# Altium PCB 23005.PcbDoc (part 1 of 3) (continued)
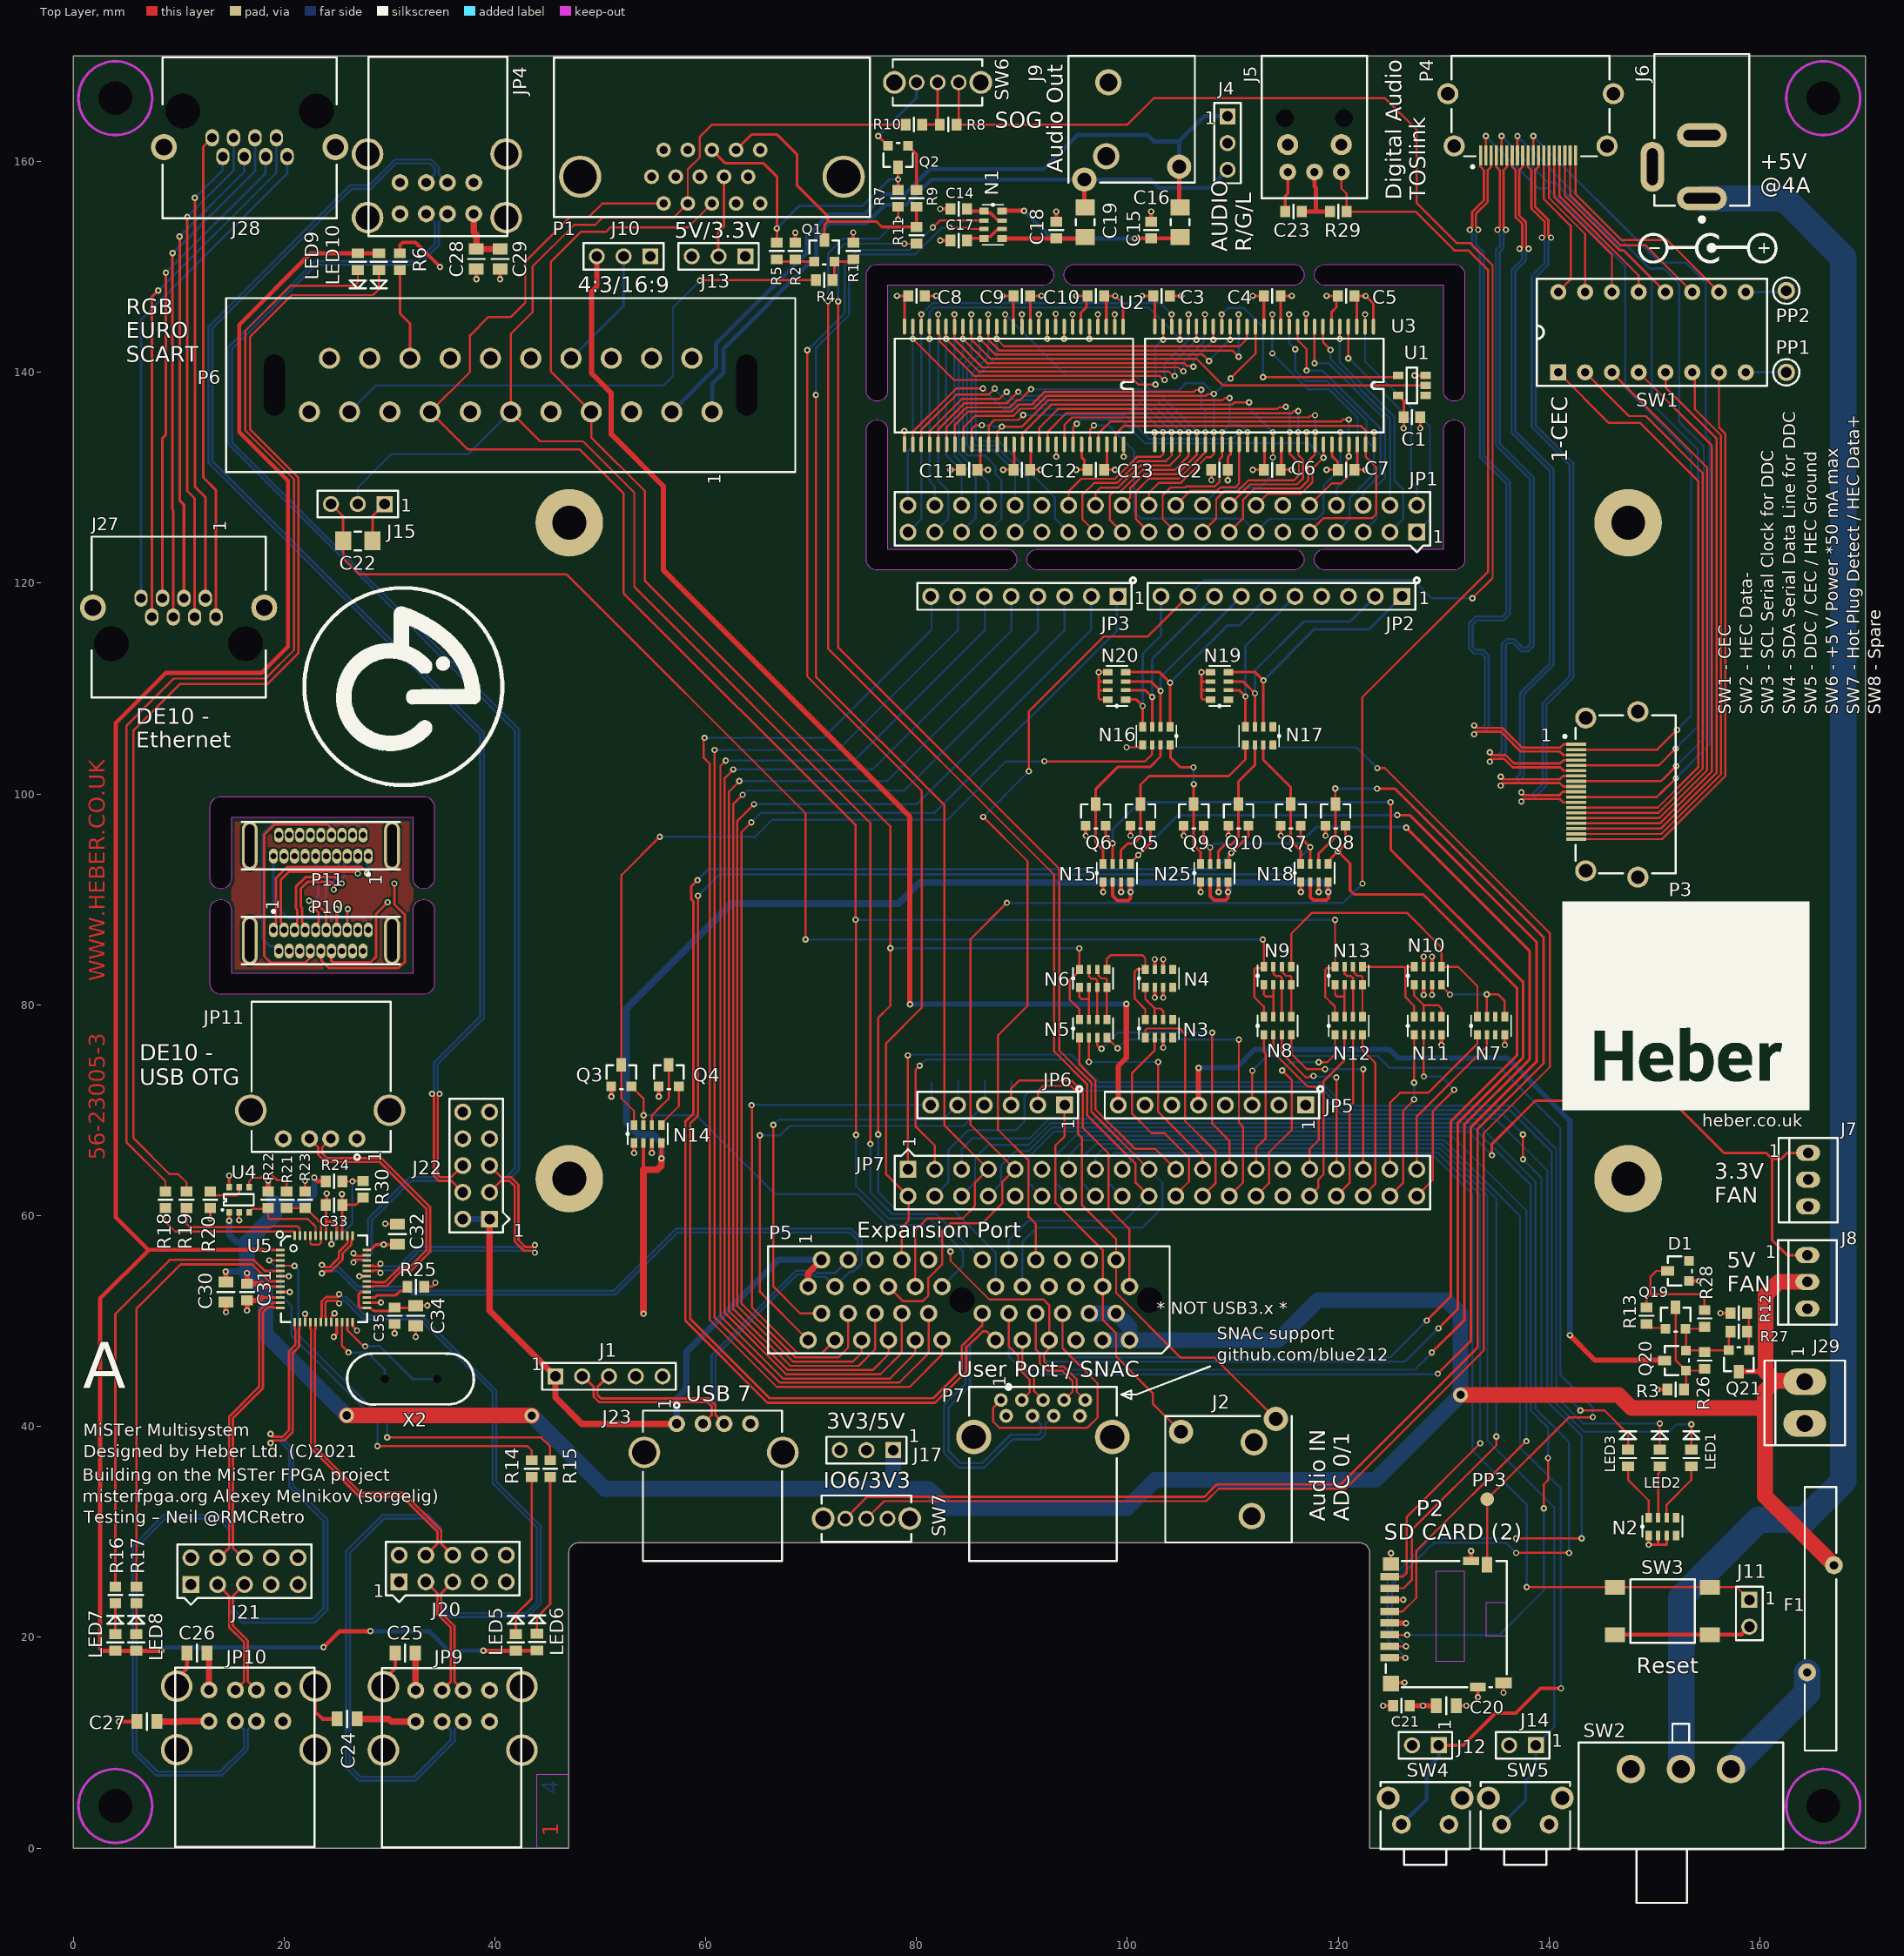
[diagram p0: Top Layer view]
## Footprints (in the part's own frame and the unit in brackets; to place one, negate y for a bottom-side part, rotate by r counter-clockwise, add the part's x,y. Pads: shape width x height; smd on the part's side, far side on the other; paste and mask are expansions set on the pad) (continued)
  silkscreen extent -1.27,-3.81 49.53,1.91, body extent -1.25,-3.81 49.51,1.27, height 8.54
1206RES4_I2 [mm]
  rect 0.9x0.65 smd: 1(-0.85,1.3) 4(-0.85,-1.3) 5(0.85,-1.3) 8(0.85,1.3)
  rect 0.9x0.4 smd: 2(-0.85,0.4) 3(-0.85,-0.4) 6(0.85,-0.4) 7(0.85,0.4)
  silkscreen extent -1,-1.9 1,2, body extent -0.8,-1.6 0.8,1.6, height 0.66
AMC_RISER2 [mil]
  round 65 / inner round 70 / far side round 65 hole 39.37: 1(200,1200) 2(300,1150) 3(200,1100) 4(300,1050) 5(200,1000) 6(300,950) 7(200,900) 8(300,850) 9(200,800) 10(300,750) 11(200,700) 12(300,550) 13(200,500) 14(300,450) 15(200,400) 16(300,350) 17(200,300) 18(300,250) 19(200,200) 20(300,150) 21(200,100) 22(300,50) 23(200,0) 24(0,1200) 25(100,1150) 26(0,1100) 27(100,1050) 28(0,1000) 29(100,950) 30(0,900) 31(100,850) 32(0,800) 33(100,750) 34(0,700) 35(100,550) 36(0,500) 37(100,450) 38(0,400) 39(100,350) 40(0,300) 41(100,250) 42(0,200) 43(100,150) 44(0,100) 45(100,50) 46(0,0)
  round 60 hole 94.49 unplated: 47(150,625) 48(150,-75)
  silkscreen extent -50,-150 350,1350, body extent -20,-145 330,1345, height 610
AMP_114-00841-68 [mm] "uSDCard CONNECTOR"
  rect 0.7x1.75 smd: 1(3.2,-0.875) 2(2.1,-0.875) 3(1,-0.875) 4(-0.1,-0.875) 5(-1.2,-0.875) 6(-2.3,-0.875) 7(-3.4,-0.875) 8(-4.5,-0.875)
  rect 1.475x1 smd: 11(-5.637,8.35)
  rect 1.5x1.5 smd: 12(5.65,-0.75)
  rect 0.8x1.5 smd: 13(5.975,7.5) 14(-5.975,6.85)
  rect 1.3x1.5 smd: 15(-5.7,-0.75)
  rect 1x1.55 smd: 16(5.575,9.925)
  Top Layer keep-out region: 3.5,6.25 -5,6.25 -5,3.5 3.5,3.5 3.5,6.25
  Top Layer keep-out region: 1.1,10.25 -2,10.25 -2,8.25 1.1,8.25 1.1,10.25
  silkscreen extent -6,-1.25 6,10.25, body extent -6,-1.25 6,10.35, height 1.61
AMPFCI_1029449 [mm] "HDMI Connector (Type A), 19-Leads, Body 15x10mm, Pitch 0.5mm"
  rect 0.3x1.9 smd mask+0.05: 1(4.75,2.925) 2(4.25,2.925) 3(3.75,2.925) 4(3.25,2.925) 5(2.75,2.925) 6(2.25,2.925) 7(1.75,2.925) 8(1.25,2.925) 9(0.75,2.925) 10(0.25,2.925) 11(-0.25,2.925) 12(-0.75,2.925) 13(-1.25,2.925) 14(-1.75,2.925) 15(-2.25,2.925) 16(-2.75,2.925) 17(-3.25,2.925) 18(-3.75,2.925) 19(-4.25,2.925)
  round 2 hole 1.3: 20(7.25,2.025) 21(-7.25,2.025) 22(7.85,-2.925) 23(-7.85,-2.925)
  silkscreen extent -7.5,-6.5 7.5,4.12, body extent -8.1,-6.4 8.1,3.7, height 6.27
CUI_PJ-202A [mm]
  oval 2.25x4.75 hole 1 slot 3.5 at 90 deg: 1(-6.5,0) 2(-0.5,0)
  oval 4.75x2.25 hole 1 slot 3.5 at 0 deg: 3(-3.5,4.7)
  silkscreen extent -8.7,-4.5 7.2,4.5, body extent -7.2,-4.5 7.2,4.9, height 11.01
FCR684208T [mm] "Optical connector TX"
  round 0 hole 1.7 unplated paste+0 mask+0.102: 0(-2.8,5.1) 0(2.8,5.1)
  round 1.6 hole 0.8: 1(-2.54,0) 2(0,0) 3(2.54,0)
  round 2 hole 1.1: SH(-2.54,2.6) SH(2.54,2.6)
  silkscreen extent -5,-2.5 5,11, body extent -5,-2.5 5,11, height 10
FUSE-MF-RX375/72-2 [mm] "Fuse"
  round 1.7 hole 0.8: 1(-5.08,1.27) 2(5.08,-1.27)
  silkscreen extent -12.5,-1.5 12.5,1.5, body extent -12.5,-1.5 12.5,1.5, height 30
HC49_I3 [mm]
  round 0 / inner round 1.524 / far side round 1.524 hole 0.8: 1(-2.54,0) 2(2.438,0)
  silkscreen extent -6.01,-2.42 6.01,2.42, body extent -5.4,-2.25 5.4,2.25, height 3.51
HDMI_VERT_PTH [mm]
  oval 0.85x1.4 / inner oval 0.85x1.1 / far side oval 0.85x1.4 hole 0.6 mask+0.05: 1(-4.5,1) 2(-4,-1) 3(-3.5,1) 4(-3,-1) 5(-2.5,1) 6(-2,-1) 7(-1.5,1) 8(-1,-1) 9(-0.5,1) 10(0,-1) 11(0.5,1) 12(1,-1) 13(1.5,1) 14(2,-1) 15(2.5,1) 16(3,-1) 17(3.5,1) 18(4,-1) 19(4.5,1)
  oval 1.5x4.6 hole 0.9 slot 4 at 90 deg: 20(6.75,0) 21(-6.75,0)
  silkscreen extent -7.5,-2.25 7.5,2.87
JACKSOCKET-STEREO [mm]
  round 2.5 hole 1.7: 1(-2.5,2.2) 3(-9.51,2.403)
  round 2.3 hole 1.3: 2(-10.501,-4.506) 4(-11.72,4.486)
  silkscreen extent -12,-6 0,6, body extent -12,-6 3.5,6, height 7
K-SCART-024 [mm] "scart Socket"
  round 0 hole 2 slot 5.8 at 90 deg unplated mask+0.102: 0(-22.4,0) 0(22.4,0)
  round 2 hole 1.3: 1(19.1,-2.54) 2(17.19,2.54) 3(15.28,-2.54) 4(13.37,2.54) 5(11.46,-2.54) 6(9.55,2.54) 7(7.64,-2.54) 8(5.73,2.54) 9(3.82,-2.54) 10(1.91,2.54) 11(0,-2.54) 12(-1.91,2.54) 13(-3.82,-2.54) 14(-5.73,2.54) 15(-7.64,-2.54) 16(-9.55,2.54) 17(-11.46,-2.54) 18(-13.37,2.54) 19(-15.28,-2.54) 20(-17.19,2.54) 21(-19.1,-2.54)
  silkscreen extent -27,-8.25 27,8.25
LQFP48 [mm]
  rect 0.8x0.25 smd: 1(-4.09,2.75) 2(-4.09,2.25) 3(-4.09,1.75) 4(-4.09,1.25) 5(-4.09,0.75) 6(-4.09,0.25) 7(-4.09,-0.25) 8(-4.09,-0.75) 9(-4.09,-1.25) 10(-4.09,-1.75) 11(-4.09,-2.25) 12(-4.09,-2.75) 25(4.09,-2.75) 26(4.09,-2.25) 27(4.09,-1.75) 28(4.09,-1.25) 29(4.09,-0.75) 30(4.09,-0.25) 31(4.09,0.25) 32(4.09,0.75) 33(4.09,1.25) 34(4.09,1.75) 35(4.09,2.25) 36(4.09,2.75)
  rect 0.25x0.8 smd: 13(-2.75,-4.09) 14(-2.25,-4.09) 15(-1.75,-4.09) 16(-1.25,-4.09) 17(-0.75,-4.09) 18(-0.25,-4.09) 19(0.25,-4.09) 20(0.75,-4.09) 21(1.25,-4.09) 22(1.75,-4.09) 23(2.25,-4.09) 24(2.75,-4.09) 37(2.75,4.09) 38(2.25,4.09) 39(1.75,4.09) 40(1.25,4.09) 41(0.75,4.09) 42(0.25,4.09) 43(-0.25,4.09) 44(-0.75,4.09) 45(-1.25,4.09) 46(-1.75,4.09) 47(-2.25,4.09) 48(-2.75,4.09)
  silkscreen extent -4.47,-4.09 4.15,4.53, body extent -4.5,-4.5 4.5,4.5, height 1.5
P-RJHSE-XE80 [mil] "Amp-ICC RJ45"
  round 0 hole 129.92 unplated mask+4: 0(-250,0) 0(250,0)
  oval 50x65 hole 35.43: 1(140,100) 2(100,170) 3(60,100) 4(20,170) 5(-20,100) 6(-60,170) 7(-100,100) 8(-140,170)
  oval 96.46x98.43 hole 62.99: SH(-320,135) SH(320,135)
  silkscreen extent -325,-200 325,400, body extent -334,-214 329,406, height 519
PROBEPOINT [mm]
  round 1.3 smd paste-1.3: 1(0,0)
  body extent -0.64,-0.65 0.65,0.65, height 0.04
SM0603 [mil]
  rect 37x43.31 smd: 1(-31,0) 2(31,0)
  silkscreen extent 0,-26 0,26, body extent -32,-16 31,16, height 20
SM0603LED_1 [mil]
  rect 37x46 smd: 1(-31,0) 2(31,0)
  silkscreen extent 0,-30 100,30, body extent -47,-20 47,20, height 39
SM0805 [mm]
  rect 1.05x1.4 smd: 1(-0.95,-0.001) 2(0.95,-0.001)
  silkscreen extent 0,-0.8 0,0.8, body extent -1,-0.6 1,0.6, height 0.71
SM1206 [mil]
  rect 60x70 smd: 1(-55,0) 2(55,0)
  silkscreen extent -12,-35 12,35, body extent -79,-31 79,31, height 24
SOT23 [mil]
  rect 36x36 smd: 1(-37.5,-39) 2(37.5,-39)
  rect 36x50 smd: 3(0,41)
  silkscreen extent -55,-50 55,40, body extent -57,-49 57,48, height 41
SOT23-5 [mm]
  rect 0.7x1 smd: 1(-0.95,-1.3) 2(0,-1.3) 3(0.95,-1.3) 4(0.95,1.3) 5(-0.95,1.3)
  silkscreen extent -1.7,-0.5 1.7,0.5
SOT23-6LEAD [mm]
  rect 0.6x0.5 smd: 1(-1.2,0.95) 2(-1.2,0) 3(-1.2,-0.95) 4(1.2,-0.95) 5(1.2,0) 6(1.2,0.95)
  silkscreen extent -1.02,-1.38 0.55,1.67, body extent -1.23,-1.4 1.2,1.4, height 1.09
SW_CK_L102011ml04Q [mm] "RA PTH Switch"
  round 2.7 hole 1.7: 1(-4.75,0) 2(0,0) 3(4.75,0)
  silkscreen extent -9.7,-12.7 9.7,4.3, body extent -9.65,-12.56 9.65,4.46, height 10.48
SW_ITT_OS102011MS2QN1 [mm] "Switch Vertical"
  round 1.5 hole 1: 1(-2,0) 2(0,0) 3(2,0)
  round 2.159 hole 1.5: 4(4.1,0) 5(-4.1,0)
  silkscreen extent -4.25,-2.2 4.25,2.2, body extent -4.3,-2.15 4.3,2.15, height 8.71
SW_SM_6MM [mm]
  rect 1.4x1.9 smd: 1(-2.25,-4.5) 2(-2.25,4.5) 3(2.25,-4.5) 4(2.25,4.5)
  silkscreen extent -3.03,-3.09 3.01,3.03, body extent -3.17,-5.02 3.17,5.02, height 5.39
SW_TS6H2A [mm]
  round 1.778 hole 1: 1(-2.25,0) 2(2.25,0)
  round 2.159 hole 1.3: 3(-3.5,2.5) 4(3.5,2.5)
  silkscreen extent -4.25,-3.85 4.25,4, body extent -4.25,-3.85 4.25,4, height 7.21
TSOP54/080 [mil]
  oval 60x13 smd: 1(-220,378) 2(-220,346.5) 3(-220,315) 4(-220,283.5) 5(-220,252) 6(-220,220.5) 7(-220,189) 8(-220,157.5) 9(-220,126) 10(-220,94.5) 11(-220,63) 12(-220,31.5) 13(-220,0) 14(-220,-31.5) 15(-220,-63) 16(-220,-94.5) 17(-220,-126) 18(-220,-157.5) 19(-220,-189) 20(-220,-220.5) 21(-220,-252) 22(-220,-283.5) 23(-220,-313) 24(-220,-345) 25(-220,-376) 26(-220.03,-407.54) 27(-220.36,-438.9) 28(219.62,-438.9) 29(219.95,-407.05) 30(220,-376) 31(220,-344.5) 32(220,-313) 33(220,-281.5) 34(220,-250) 35(220,-218.5) 36(220,-187) 37(220,-155.5) 38(220,-124) 39(220,-92.5) 40(220,-61) 41(220,-29.5) 42(220,2) 43(220,33.5) 44(220,65) 45(220,96.5) 46(220,128) 47(220,159.5) 48(220,191) 49(220,222.5) 50(220,254) 51(220,285.5) 52(220,317) 53(220,348.5) 54(220,380)
  silkscreen extent -175,-475 175,415
USB_STACK [mm]
  round 1.6 hole 0.9: 1(3.14,7.5) 2(5.64,7.5) 3(7.64,7.5) 4(10.14,7.5) 5(3.14,4.53) 6(5.64,4.53) 7(7.64,4.53) 8(10.14,4.53)
  round 3 hole 2.3: 9(0.07,7.85) 10(13.21,7.85) 11(0.07,1.82) 12(13.21,1.82)
  silkscreen extent -0.06,-7.4 13.14,9.6
USB_WURTH_61400416021 [mm]
  round 1.6 hole 0.9: 1(-3.5,0) 2(-1,0) 3(1,0) 4(3.5,0)
  round 3 hole 2.3: 5(-6.57,-2.71) 6(6.57,-2.71)
  silkscreen extent -6.7,-13 6.5,2, body extent -8.02,-12.95 7.97,1.05, height 7.61
WURTH_692121030100 [mm] "9pin USB connector"
  round 1.3 hole 0.7: 1(-3.5,0) 2(-1,0) 3(1,0) 4(3.5,0) 5(4,1.5) 6(2,1.5) 7(0,1.5) 8(-2,1.5) 9(-4,1.5)
  round 3.3 hole 2.3: 10(-6.57,-2) 10(6.57,-2)
  silkscreen extent -7,-13.75 7,3, body extent -7.74,-13.8 7.74,2.75, height 8

## Part data
C1 C2 C3 C4 C5 C6 C7 C8 C9 C10 C11 C12 C13 C14 C15 C17 C18 C20 C21 C23 C24 C25 C26 C27 C28 C29 C30 C31 C32 C33 C34 C35: library part C
C16 C19 C22: library part CAP_POL
D1: library part ZENNER_SOT23
F1: library part FUSE
J1: library part "HEADER 5W SIL"
J4 J5 J10 J13 J15 J17: library part "HEADER 3"
J6: library part "PLUG 3W SIL"
J11 J12 J14 J29: library part "HEADER 2"
J27 J28: library part RJ45
JP4 JP9 JP10: library part USB-A_DUAL
LED5 LED6 LED7 LED8 LED9 LED10: library part LED
N1 N2 N3 N4 N5 N6 N7 N8 N9 N10 N11 N12 N13 N16 N17 N19 N20: library part "RESISTOR DIP 4"
N14 N15 N18 N25: library part "RESISTOR DIP 4 A-D"
P1: library part "CONNECTOR DB15 VGA SHIELDED"
Q1 Q2: library part BC846AL_1
Q3 Q4 Q5 Q6 Q7 Q8 Q9 Q10: library part "MOSFET N_0"
Q19: library part BC856AL
Q20 Q21: library part "MOSFET P"
R1 R2 R3 R4 R5 R6 R7 R8 R9 R10 R11 R12 R13 R14 R15 R16 R17 R18 R19 R20 R21 R22 R23 R24 R25 R26 R27 R28 R29 R30: library part RES
SW3: library part "SW PUSHBUTTON"
U1: library part SN74LVC1G07
X2: library part XTAL

## Free pads (board coordinates)
  round 6.4 hole 3.2: 0(47.06,63.5) 0(47.06,125.73) 0(147.5,63.5) 0(147.5,125.73)
  round 0 hole 3.2 mask+0.075: 4(4,4) 4(4,166) 4(166,4) 4(166,166)

## Via types
v1: diameter 0.6, hole 0.3, Top Layer to Bottom Layer, tented both sides, 388 vias
v2: diameter 1.4, hole 0.8, Top Layer to Bottom Layer, tented both sides, 3 vias

## Nets (pads, with @x,y where several pads share a name; then routed paths per layer and width w, separated by ;. In a path a pad name is that pad's centre, name@x,y a point inside that pad or via, vN(x,y) a via of type N, cw(c..) or ccw(c..) an arc to the next point about the centre after c; other vN are vias at no path point)
1V8: C34.1 C35.1 U5.6 U5.21 U5.25 U5.28 | length 31.8
  Top Layer w0.25: U5.6@19.66,54.25 v1(20.45,54.25) ; v1(24.725,48.5) 25,48.775 U5.21@25,49.91 ; U5.28@27.84,52.75 27.275,52.75 27.1,52.575 27.1,51.425 27.275,51.25 U5.25@27.84,51.25 28.215,51.25 28.515,50.95 30.163,50.95 C35.1@30.463,51.25 ; C35.1@30.5,51.287 C35.1@30.463,51.25 ; v1(33.6,51.475) 32.524,51.475 C34.1@32.499,51.45 32.299,51.25 C35.1@30.463,51.25
  Mid Layer 2 w0.6: v1(20.45,54.25) 20.4,54.25 19.25,53.1 19.25,51.05 20.887,49.412 23.812,49.412 v1(24.725,48.5) 24.925,48.3 27.256,48.3 30.431,51.475 v1(33.6,51.475)
3V3: C20.1 C21.1 C32.1 C33.1 J7.2 J13.1 J17.3 JP5.2 JP5.4 JP7.29 N2.1 N2.2 N2.3 N14.1 N14.3 N15.1 N15.3 N18.1 N18.3 N19.5 N19.6 N19.7 N19.8 N20.5 N20.6 N20.7 N20.8 N25.1 N25.3 P2.4 P5.19 P5.20 Q3.1 Q4.1 Q5.1 Q6.1 Q7.1 Q8.1 Q9.1 Q10.1 R23.2 SW7.3 U5.9 U5.15 U5.20 U5.26 U5.31 U5.36 U5.40 U5.42 | length 50.8
  Top Layer w0.25: U5.9@19.66,52.75 v1(20.55,52.75) ; U5.15@22,49.91 v1(22,50.675) ; R23.2@22,62.287 v1(22,63.3) ; C33.1@23.963,61 24.05,61.087 v1(24.05,62.1) ; U5.42@24,58.09 24,59.439 ; C33.1@24,60.963 24,60.787 24,59.439 ; U5.20@24.5,49.91 24.5,50.425 v1(24.8,50.725) ; U5.40@25,58.09 25,59.075 24.636,59.439 24,59.439 ; v1(27.15,54.25) U5.31@27.84,54.25 ; U5.26@27.84,51.75 v1(29.2,51.75) ; U5.36@27.84,56.75 28.215,56.75 28.715,57.25 v1(29.45,57.25) 30.701,57.25 C32.1@30.751,57.3 ; N20.8@98.15,108.95 97.421,108.95 97.275,109.096 97.275,109.85 ; N20.7@98.15,109.85 97.275,109.85 ; N20.6@98.15,110.65 97.325,110.65 97.275,110.7 ; N20.5@98.15,111.55 v1(97.275,111.55) 97.275,110.7 ; N19.8@107.9,108.95 107.171,108.95 107.025,109.096 107.025,109.85 ; N19.7@107.9,109.85 107.025,109.85 ; N19.6@107.9,110.65 107.075,110.65 107.025,110.7 ; N19.5@107.9,111.55 v1(107.025,111.55) 107.025,110.7 ; N2.1@149.45,29.65 v1(149.45,28.775) 150.3,28.775 ; N2.2@150.35,29.65 150.35,28.825 150.3,28.775 ; N2.3@151.15,29.65 151.15,28.775 150.3,28.775 ; 97.275,109.85 97.275,110.7 ; 107.025,109.85 107.025,110.7
  Top Layer w0.35: v1(51.048,71.297) Q3.1@51.048,72.259 ; v1(53.2,65.937) N14.1@53.2,66.9 ; v1(54.9,65.937) N14.3@54.9,66.9 ; v1(55.547,71.297) Q4.1@55.547,72.259 ; v1(96.048,96.047) Q6.1@96.048,97.009 ; v1(97.7,90.687) N15.1@97.7,91.65 ; v1(99.4,90.687) N15.3@99.4,91.65 ; v1(100.298,96.047) Q5.1@100.298,97.009 ; v1(105.339,96.047) Q9.1@105.339,97.009 ; v1(106.95,90.687) N25.1@106.95,91.65 ; v1(108.65,90.687) N25.3@108.65,91.65 ; v1(109.589,96.047) Q10.1@109.589,97.009 ; v1(114.548,96.047) Q7.1@114.548,97.009 ; v1(116.45,90.687) N18.1@116.45,91.65 ; v1(118.15,90.687) N18.3@118.15,91.65 ; v1(118.798,96.047) Q8.1@118.798,97.009
  Top Layer w0.5: P2.4@124.875,21.35 v1@126.4,21.35 ; C21.1@126.787,13.5 v1(128.044,13.499) C20.1@129.3,13.499
  other v1: 126.425,21.325
3V3_MEM: C1.1 C2.1 C3.1 C4.1 C5.1 C6.1 C7.1 C8.1 C9.1 C10.1 C11.1 C12.1 C13.1 JP1.29 U1.5 U2.1 U2.3 U2.9 U2.14 U2.27 U2.37 U2.43 U2.49 U3.1 U3.3 U3.9 U3.14 U3.27 U3.37 U3.43 U3.49 | length 177.9
  Top Layer w0.25: v1(78.15,147.25) C8.1@79.213,147.25 79.213,147.17 78.852,146.809 U2.27@78.852,144.347 ; U2.37@86.05,133.162 86.05,131.013 C11.1@85.787,130.75 v1(86.775,130.75) ; v1(88.15,147.25) C9.1@89.213,147.25 89.2,147.237 U2.14@89.2,144.338 ; U2.43@90.851,133.162 90.851,130.813 C12.1@90.787,130.75 v1(91.775,130.75) ; U2.9@93.2,144.338 v1(93.2,145.55) ; v1(95.15,130.75) C13.1@96.213,130.75 95.9,131.063 95.9,131.7 95.652,131.948 U2.49@95.652,133.162 ; U2.3@98.001,144.338 98.001,147.036 C10.1@97.787,147.25 v1(98.85,147.25) 99.601,146.499 U2.1@99.601,144.338 ; v1(101.4,147.25) C3.1@102.463,147.25 102.602,147.111 U3.27@102.602,144.347 ; v1(109.525,129.75) 109.525,129.675 109.537,129.662 C2.1@109.537,130.75 109.537,131.962 109.8,132.225 U3.37@109.8,133.162 ; v1(111.9,147.25) C4.1@112.963,147.25 112.95,147.237 U3.14@112.95,144.338 ; U3.43@114.601,133.162 114.601,130.813 C6.1@114.537,130.75 v1(115.6,130.75) ; U3.9@116.95,144.338 v1(116.95,145.55) ; v1(118.9,130.75) C7.1@119.963,130.75 119.946,130.766 119.946,131.529 119.401,132.074 U3.49@119.401,133.162 ; U3.3@121.751,144.338 121.751,147.036 C5.1@121.537,147.25 v1(122.6,147.25) 123.351,146.499 U3.1@123.351,144.338 ; U1.5@125.7,137.8 125.85,137.8 126.075,137.575 126.075,137.425 126.213,137.287 C1.1@126.213,135.75 v1(126.213,134.687)
  Mid Layer 2 w0.5: 90.45,129.55 90.6,129.4 90.6,126.9
  Mid Layer 2 w0.6: v1(88.15,147.25) 88.15,146.45 ; 90.6,126.9 90.6,126.13 JP1.29@91.89,124.84 ; v1(93.2,145.55) 93.2,146.45 ; v1(98.85,147.25) 98.825,147.225 98.825,146.45 ; v1(101.4,147.25) 101.4,146.45 ; v1(111.9,147.25) 111.9,146.45 ; v1(116.95,145.55) 116.95,146.35 116.85,146.45 ; v1(122.6,147.25) 121.8,146.45 116.85,146.45 ; v1(126.213,134.687) 124.225,132.7 123.275,132.7 121.325,130.75 v1(118.9,130.75) v1(115.6,130.75) 114.6,129.75 v1(109.525,129.75) 108.45,130.825 103.1,130.825 101.974,129.699 96.201,129.699 v1(95.15,130.75) v1(91.775,130.75) 90.575,129.55 90.45,129.55 87.126,129.55 86.775,129.901 v1(86.775,130.75) 86.775,132.65 78.15,141.275 v1(78.15,147.25) 80.1,147.25 80.9,146.45 88.15,146.45 ; 88.15,146.45 93.2,146.45 ; 93.2,146.45 98.825,146.45 ; 98.825,146.45 101.4,146.45 ; 101.4,146.45 111.9,146.45 ; 111.9,146.45 116.85,146.45
5V: C23.1 C30.1 C31.1 F1.2 J5.2 J8.2 J10.1 J13.3 J17.1 J29.1 P5.43 P5.44 P5.45 P5.46 Q21.3 R6.2 R22.1 R24.2 R29.1 U4.1 U5.8 | length 584.8
  Top Layer w0.25: C30.1@14.475,53.724 C30.1@14.499,53.7 ; v1(14.8,59.525) U4.1@14.8,60.3 ; 18.224,53.25 U5.8@19.66,53.25
  Top Layer w0.3: v1@22.875,63.564 v1(22.875,63.6)
  Top Layer w0.35: R6.2@31,151.287 31,152.075 31.25,152.325 32.475,152.325 v1(34.8,150)
  Top Layer w0.4: R22.1@18.5,62.287 v1(18.5,63.325) ; v1@22.875,63.564 23.189,63.25 R24.2@23.963,63.25 ; C23.1@116.537,155.25 117.875,155.25 ; J5.2@117.75,159 117.75,157.625 117.875,157.5 117.875,155.25 ; R29.1@119.213,155.25 117.875,155.25
  Top Layer w0.5: C30.1@14.475,53.724 v1(14.475,54.7) ; v1(16.5,54.55) C31.1@16.5,53.537 17.936,53.537 18.224,53.25 ; Q21.3@158,45.209 160.516,45.209
  Top Layer w1: v2(131.6,43) v2@131.625,42.975 ; J29.1@164.175,44.325 J29.1@164.25,44.25
  Top Layer w1.5: v2(25.95,41.05) 43.475,41.05 v2(43.5,41.025) ; v2@131.625,42.975 146.6,42.975 147.825,41.75 160.475,41.75 ; J29.1@164.175,44.325 161.4,44.325 ; J8.2@164.5,53.71 161.77,53.71 160.525,52.466 160.525,45.2 161.4,44.325 ; F1.2@167.02,26.83 160.475,33.375 160.475,41.75 ; 160.475,41.75 160.475,43.4 161.4,44.325
  Mid Layer 2 w0.75: v1(34.8,150) 36.6,150 37.35,150.75 45.313,150.75 47.463,152.9 49.4,152.9 52,155.5
  Mid Layer 2 w1.25: J13.3@58.68,151 J10.1@54.75,151 54.75,152.75 52,155.5 52,162.575 54.5,165.075 104,165.075 104.925,166 116.825,166 117.75,165.075 ; J5.2@117.75,159 117.75,165.075 ; F1.2@167.02,26.83 167.6,27.41 167.6,146.85 161.975,152.475 147.2,152.475 143.675,156 129.475,156 125.25,160.225 125.25,164.25 123.5,166 118.675,166 117.75,165.075
  Bottom Layer w0.6: v1(14.475,54.7) 16.35,54.7 v1(16.5,54.55) ; v1(14.8,59.525) 14.8,58.2 15.512,57.487 16.5,57.487 ; v1(18.5,63.325) 18.5,61.8 19.125,61.175 22.075,61.175 22.875,61.975 v1(22.875,63.6)
  Bottom Layer w1.5: 19.125,61.175 19.125,60.113 16.5,57.487 v1(16.5,54.55) 18.25,52.8 18.25,48.75 v2(25.95,41.05) ; v2(43.5,41.025) 50.44,34.085 77.79,34.085 ; J17.1@77.79,37.75 77.79,34.085 ; P5.43@96.39,50.73 P5.45@98.93,50.73 100.2,49.46 P5.46@100.2,48.19 ; P5.44@97.66,48.19 P5.46@100.2,48.19 ; 77.79,34.085 77.825,34.05 81.175,34.05 82.95,32.275 100,32.275 102.65,34.925 123.525,34.925 v2(131.6,43) 131.6,50.65 130.25,52 118.1,52 114.29,48.19 P5.46@100.2,48.19
5V_NANO: JP5.5 JP7.11 Q20.3 | length 92.3
  Top Layer w0.5: JP5.5@106.75,70.49 v1(106.75,74.025) ; v1(141.975,48.65) 144.35,46.275 150.934,46.275 Q20.3@150.959,46.25
  Mid Layer 2 w0.5: JP7.11@91.89,64.39 91.89,66.39 93.175,67.675 105.85,67.675 106.75,68.575 JP5.5@106.75,70.49
  Bottom Layer w0.5: v1(106.75,74.025) 110.35,74.025 112.1,75.775 124.825,75.775 125.65,74.95 136.025,74.95 141.975,69 v1(141.975,48.65)
9V: J10.3 JP5.8 | length 114.1
  Top Layer w0.5: J10.3@49.67,151 49.67,148.145 49.175,147.65 49.175,139.9 51.05,138.025 51.05,134.125 55.975,129.2 55.975,121.25 79.375,97.85 v1(79.375,80.05) ; JP5.8@99.13,70.49 99.128,70.493 99.128,74.177 99.9,74.95 v1(99.9,80.075)
  Bottom Layer w0.5: v1(79.375,80.05) 79.388,80.063 99.888,80.063 v1(99.9,80.075)
A0: JP1.37 U2.23 U3.23 | length 55.4
  Top Layer w0.2: v1(82.05,145.5) U2.23@82.05,144.338 82.05,143.708 82.199,143.559 82.199,142.927 85.452,139.675 103.017,139.675 103.417,139.275 v1(103.525,139.275) ; U3.23@105.8,144.338 v1(105.8,145.5)
  Bottom Layer w0.2: JP1.37@81.73,124.84 83.025,126.135 83.025,128.75 82.05,129.725 v1(82.05,145.5) ; v1(103.525,139.275) 103.525,140.789 105.8,143.064 v1(105.8,145.5)
A1: JP1.38 U2.24 U3.24 | length 46.2
  Top Layer w0.2: v1(81.237,143.176) U2.24@81.237,144.338 ; v1(104.987,143.1) U3.24@104.987,144.338
  Bottom Layer w0.2: JP1.38@81.73,127.38 81.73,129.17 81.237,129.663 v1(81.237,143.176) 81.237,145.722 81.665,146.15 102.013,146.15 104.987,143.176 v1(104.987,143.1)
A2: JP1.39 U2.25 U3.25 | length 48.1
  Top Layer w0.2: U2.25@80.45,144.338 v1(80.45,145.5) ; U3.25@104.2,144.338 v1(104.2,145.5)
  Bottom Layer w0.2: JP1.39@79.19,124.84 80.45,126.1 v1(80.45,145.5) 81.5,146.55 103.15,146.55 v1(104.2,145.5)
A3: JP1.40 U2.26 U3.26 | length 47.8
  Top Layer w0.2: U2.26@79.648,144.339 v1(79.648,143.177) 83.55,139.275 100.6,139.275 101.025,138.85 v1(102.675,138.85) ; v1(103.398,143.1) U3.26@103.398,144.339
  Bottom Layer w0.2: JP1.40@79.19,127.38 79.19,132.565 79.648,133.023 v1(79.648,143.177) ; v1(102.675,138.85) 102.675,142.453 103.322,143.1 v1(103.398,143.1)
A4: JP1.28 U2.29 U3.29 | length 42.3
  Top Layer w0.2: U2.29@79.641,133.171 79.641,134.375 81.041,135.775 81.075,135.775 83.775,138.475 v1(86.3,138.475) ; JP1.28@94.43,127.38 94.43,128.705 95.625,129.9 98.824,129.9 100.899,131.975 103.125,131.975 103.411,132.261 U3.29@103.411,133.163 103.4,133.174 103.4,134.314 v1(103.389,134.325)
  Bottom Layer w0.2: v1(86.3,138.475) 88.25,136.525 89.851,136.525 89.876,136.55 100.125,136.55 100.65,136.025 101.724,136.025 103.389,134.359 v1(103.389,134.325)
A5: JP1.25 U2.30 U3.30 | length 44.8
  Top Layer w0.2: U2.30@80.441,133.171 80.441,134.516 83.8,137.875 86.825,137.875 v1(87.412,138.462) ; JP1.25@96.97,124.84 95.725,126.085 95.725,128.375 96.85,129.5 98.989,129.5 101.064,131.575 103.65,131.575 104.191,132.116 v1@104.191,134.315
  Bottom Layer w0.2: v1(87.412,138.462) 87.412,138.413 88.875,136.95 100.625,136.95 101.075,136.5 102.084,136.5 104.189,134.395 v1(104.189,134.316)
A6: JP1.26 U2.31 U3.31 | length 41
  Top Layer w0.2: U2.31@81.25,133.162 81.25,134.418 84.306,137.475 87.875,137.475 v1(88.537,138.137) ; JP1.26@96.97,127.38 96.97,128.57 97.45,129.05 99.105,129.05 101.23,131.175 104.025,131.175 105,132.15 U3.31@105,133.162 v1@105,134.323
  Bottom Layer w0.2: v1(88.537,138.137) 88.537,138.088 89.275,137.35 101,137.35 101.45,136.9 102.454,136.9 104.998,134.356 v1(104.998,134.325)
A7: JP1.23 U2.32 U3.32 | length 43.5
  Top Layer w0.2: U2.32@82.05,133.162 82.05,134.556 84.569,137.075 88.575,137.075 v1(89.65,138.15) ; JP1.23@99.51,124.84 98.325,126.025 98.325,128.3 98.675,128.65 99.325,128.65 101.425,130.75 104.5,130.75 105.8,132.05 U3.32@105.8,133.162 v1@105.8,134.323
  Bottom Layer w0.2: v1(89.65,138.15) 90.05,137.75 101.225,137.75 101.625,137.35 102.822,137.35 105.798,134.373 v1(105.798,134.325)
A8: JP1.24 U2.33 U3.33 | length 40.3
  Top Layer w0.2: U2.33@82.85,133.162 82.85,134.791 84.734,136.675 88.87,136.675 89.545,137.35 89.8,137.35 v1(90.85,138.4) ; JP1.24@99.51,127.38 100.287,128.158 100.287,129.047 101.591,130.35 104.75,130.35 106.6,132.2 U3.33@106.6,133.162 v1@106.6,134.323
  Bottom Layer w0.2: v1(90.85,138.4) 91.525,138.4 101.275,138.4 101.925,137.75 103.222,137.75 106.598,134.373 v1(106.598,134.325)
A9: JP1.21 U2.34 U3.34 | length 45.2
  Top Layer w0.2: U2.34@83.65,133.162 83.65,135.025 84.9,136.275 89.036,136.275 89.711,136.95 90.969,136.95 92.169,138.15 106.3,138.15 106.475,138.325 106.975,138.325 v1(107,138.35) ; JP1.21@102.05,124.84 100.825,126.065 100.825,128.7 102.05,129.925 104.9,129.925 107.4,132.425 v1@107.4,134.323
  Bottom Layer w0.2: v1(107,138.35) 107,136.775 107.398,136.377 v1(107.398,134.325)
A10: JP1.36 U2.22 U3.22 | length 46.3
  Top Layer w0.2: U2.22@82.799,144.338 v1(82.799,143.176) 83.199,142.776 85.9,140.075 103.942,140.075 104.367,139.65 v1(104.475,139.65) ; v1(106.549,143.1) U3.22@106.549,144.338
  Bottom Layer w0.2: v1(82.799,143.176) 82.799,132.176 84.27,130.705 JP1.36@84.27,127.38 ; v1(104.475,139.65) 104.475,140.994 106.549,143.068 v1(106.549,143.1)
A11: JP1.22 U2.15 U2.35 U3.15 U3.35 | length 74
  Top Layer w0.2: U2.35@84.45,133.162 84.45,134.75 85.575,135.875 89.201,135.875 89.876,136.55 91.134,136.55 92.334,137.75 107.425,137.75 107.6,137.925 108.173,137.925 v1(108.198,137.95) ; U2.15@88.4,144.338 v1(88.4,145.5) ; JP1.22@102.05,127.38 102.05,128.575 103,129.525 105.075,129.525 107.5,131.95 107.9,131.95 108.2,132.25 U3.35@108.2,133.162 v1@108.2,134.323 ; v1(109.8,139.425) 112.15,141.775 U3.15@112.15,144.338
  Bottom Layer w0.2: v1(88.4,145.5) 94.15,139.75 100.725,139.75 102.225,138.25 102.426,138.25 104.825,138.25 105.55,138.975 107.224,138.975 108.198,138 v1(108.198,137.95) ; v1(108.198,134.325) v1(108.198,137.95) ; v1(109.8,139.425) 109.737,139.425 108.262,137.95 v1(108.198,137.95)
A12: JP1.19 U2.36 U2.39 U3.36 U3.39 | length 50.5
  Top Layer w0.2: U2.36@85.25,133.162 85.25,134.625 85.6,134.975 v1(86.199,134.975) ; U2.39@87.642,133.171 87.642,134.367 v1@88.112,134.837 ; v1@88.125,134.85 90,134.85 92.5,137.35 109.05,137.35 109.25,137.55 v1(109.7,137.55) ; JP1.19@104.59,124.84 103.35,126.08 103.35,128.325 104.1,129.075 105.475,129.075 105.575,129.175 108.3,129.175 108.75,129.625 108.75,131.75 109,132 U3.36@109,133.162 v1@109,134.323 ; U3.39@111.4,133.162 v1@111.4,134.323
  Bottom Layer w0.2: v1(86.199,134.975) 87.167,134.975 87.317,134.825 88.075,134.825 v1(88.1,134.85) ; v1(108.999,134.325) 109.699,135.025 ; v1(109.7,137.55) 109.7,137.525 109.699,137.524 109.699,135.025 ; v1(111.399,134.325) 111.399,134.373 110.747,135.025 109.699,135.025
ADC_IN0: J2.2 JP6.1 P5.21 | length 36.3
  Top Layer w0.2: JP6.1@94.05,70.49 94.05,67.525 93.175,66.65 93.175,61.225 97.66,56.74 P5.21@97.66,53.27 97.66,50.115 98.93,48.845 98.93,46.645 102.413,43.162 102.413,42.169 J2.2@105.091,39.491
ADC_IN1: J2.4 JP6.2 P5.22 | length 46.1
  Top Layer w0.2: JP6.2@91.51,70.49 91.51,71.785 92.025,72.3 94.625,72.3 95.32,71.605 95.32,67.755 95.675,67.4 95.675,61.025 98.93,57.77 P5.22@98.93,55.81 98.93,52.67 105.091,46.509 108.284,46.509 J2.4@114.083,40.71
ADC_IN2: JP6.3 P5.23 PP4.1 | length 31.7
  Top Layer w0.2: JP6.3@88.97,70.49 88.97,72.045 89.75,72.825 94.666,72.825 95.775,71.716 95.775,68.325 98.225,65.875 98.225,60.675 100.2,58.7 P5.23@100.2,53.27
  Bottom Layer w0.2: JP6.3@88.97,70.49 88.985,70.505 88.985,72.735 PP4.1@89,72.75
ADC_IN3: JP6.4 P5.24 PP5.1 | length 46.1
  Top Layer w0.2: v1@65.15,67.625 65.15,52.76 P5.24@69.72,48.19
  Bottom Layer w0.2: v1(65.125,67.625) 67.075,67.625 67.95,68.5 84.44,68.5 JP6.4@86.43,70.49 86.465,70.525 86.465,72.715 PP5.1@86.5,72.75
ADC_IN4: JP6.5 P5.25 PP6.1 | length 41.6
  Top Layer w0.2: v1(66.425,68.6) 66.425,53.26 68.955,50.73 P5.25@70.99,50.73 ; JP6.5@83.89,70.49 JP6.5@83.925,70.455
  Bottom Layer w0.2: v1(66.425,68.6) 66.925,69.1 82.5,69.1 JP6.5@83.89,70.49 83.945,70.545 83.945,72.695 PP6.1@84,72.75
ADC_IN5: JP6.6 P5.26 PP7.1 | length 48.6
  Top Layer w0.2: v1@64.375,70.475 64.375,51.3 68.725,46.95 71.02,46.95 P5.26@72.26,48.19
  Bottom Layer w0.2: v1(64.35,70.475) 64.365,70.49 JP6.6@81.35,70.49 81.425,70.565 PP7.1@81.425,72.675
ARD_IO0: JP3.1 P5.27 PP8.1 | length 107.4
  Top Layer w0.2: v1(64.325,97.3) 63.4,96.375 63.4,51.65 68.5,46.55 72.575,46.55 73.53,47.505 P5.27@73.53,50.73
  Bottom Layer w0.2: v1(64.325,97.3) 65.25,98.225 81.725,98.225 PP8.1@99,115.5 99,118.61 JP3.1@99.13,118.74